# Altium PCB ETZZ.PcbDoc (part 1 of 2)
Units mm, origin at the board's own origin, x right, y up, seen from the top; angles counter-clockwise.
Board outline 70.75 x 120.75 mm, 2 copper layers (Top Layer, Bottom Layer), stack 1.536 mm thick; 55 components, 63 nets, 297 pads, 51 vias.
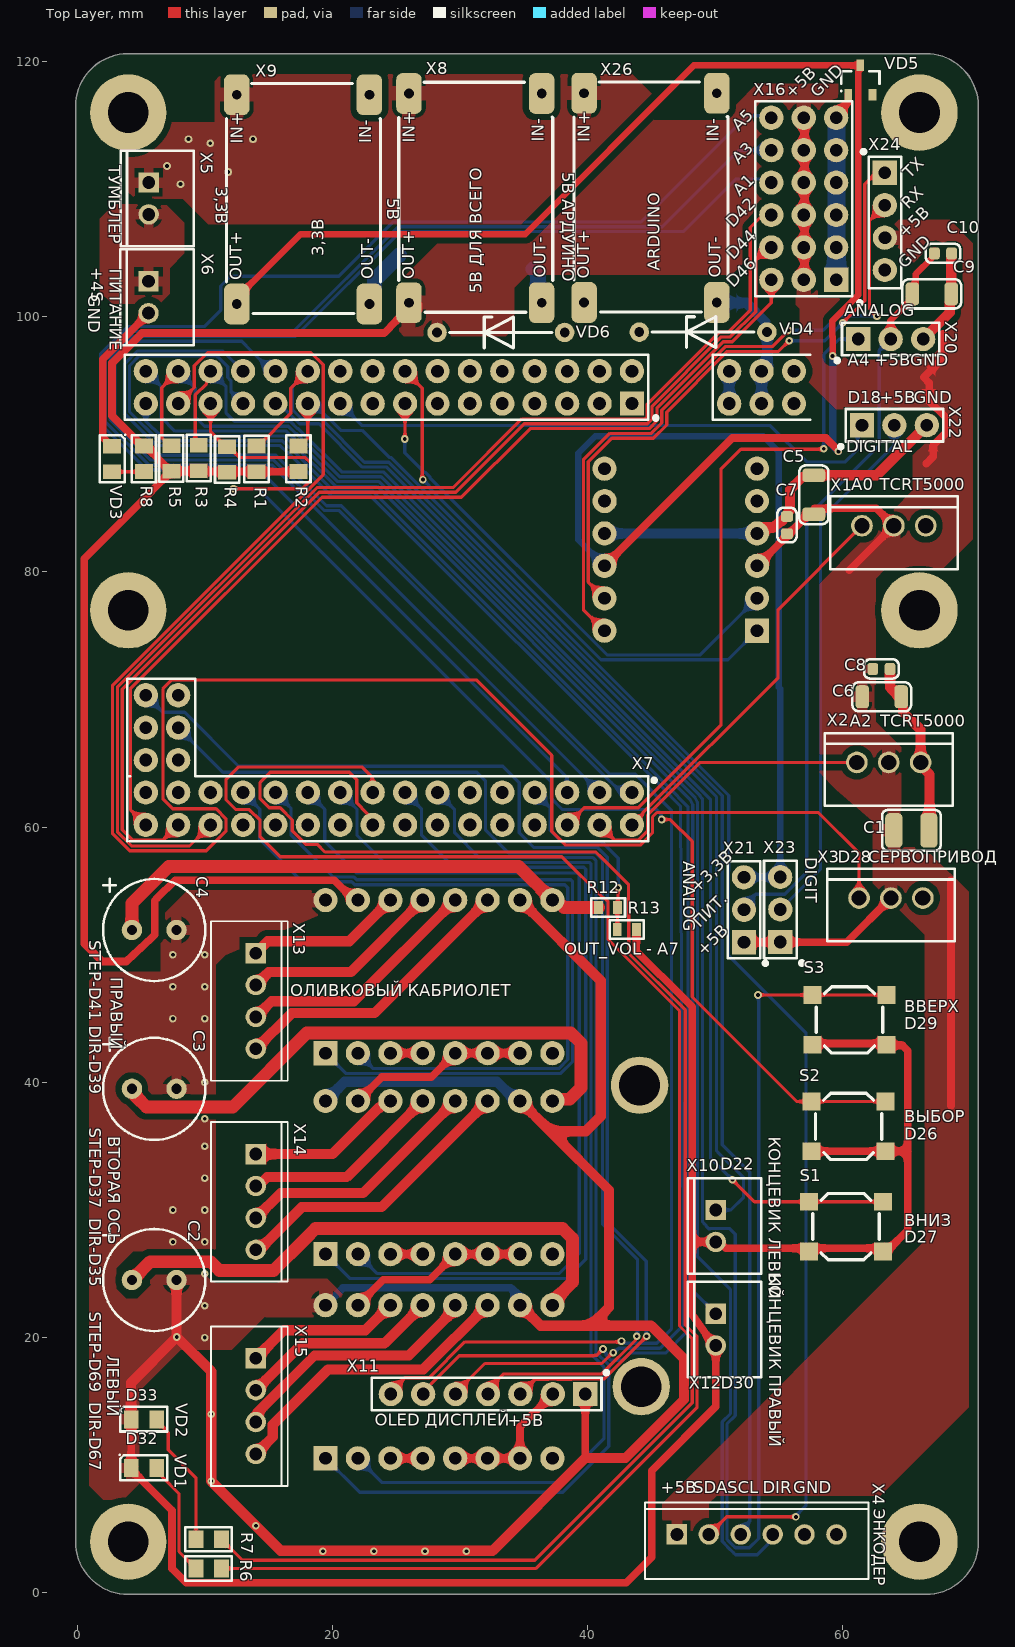
[diagram p0: Top Layer view]
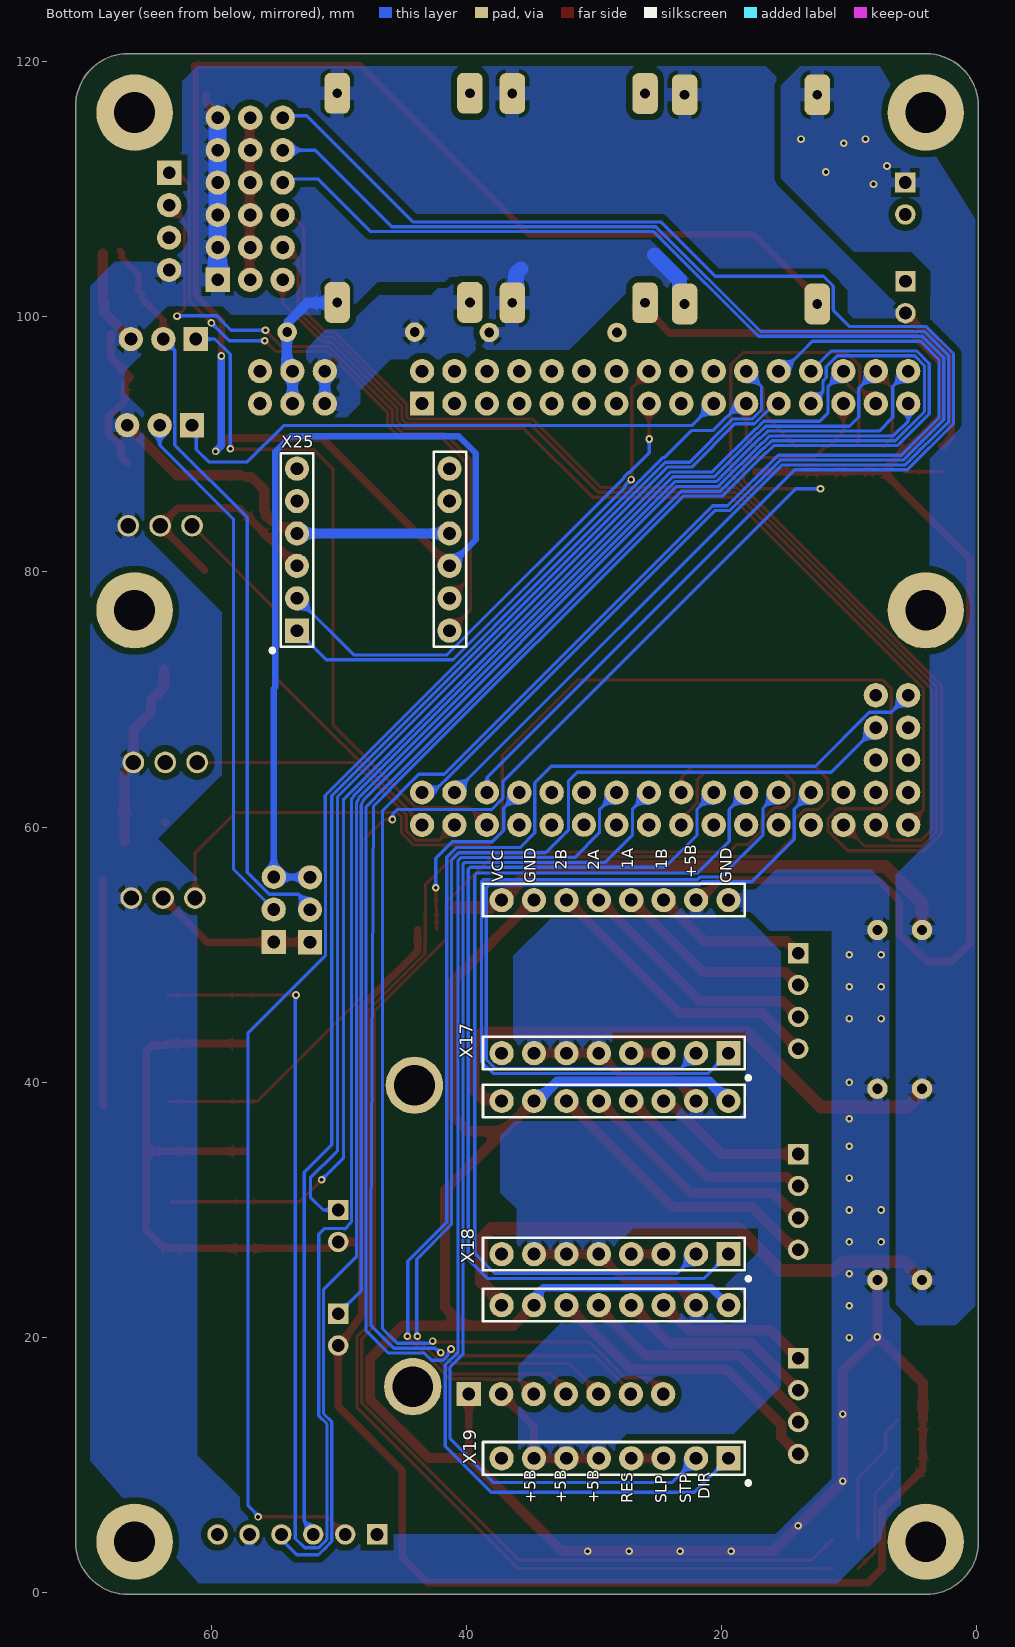
[diagram p1: Bottom Layer view, seen from below]

## Layer stack, top to bottom
Top Solder: solder mask 0.0254, SM-001, Dk 4
Top Layer: signal copper 0.018
Core: core 1.5, FR4 Tg135, Dk 4.5
Bottom Layer: signal copper 0.018
Board Layer Stack Bottom Solder: solder mask 0.0254, SM-001, Dk 4

## Board outline
-0.127,4 -0.127,116.5 cw(c4,116.5) 3.97,120.627 3.975,120.627 66.5,120.627 cw(c66.5,116.5) 70.627,116.53 70.627,116.525 70.627,4 cw(c66.5,4) 66.5,-0.127 4,-0.127 cw(c4,4)

## Design rules (kind name [scope] priority, off if disabled: settings)
AcuteAngle min_acute_angle [OnCopper] p1: minimum=3.50000000000000E+0001 checktracksonly=FALSE // Ìèíèìàëüíûé óãîë ìåæäó ïðèìèòèâàìè òîïîëîãèè
BoardOutlineClearance board_outline_clearance_std [NOT (OnLayer('Bottom Overlay') OR OnLayer('Top Overlay'))] p1: gap=0.25 ignorepadtopadclearanceinfootprint=FALSE except(0: Arc-SplitContinuation Track-SplitContinuation SMDPad-SplitContinuation THPad-SplitContinuation Via-SplitContinuation Fill-SplitContinuation Poly-SplitContinuation Region-SplitContinuation Text-SplitContinuation) // Îòñòóï ýëåìåíòîâ òîïîëîãèè îò êðàÿ ôðåçåðóåìîé ïå÷àòíîé ïëàòû
Clearance Clearance_5V [InPolygonClass('+5В')] p1: gap=0.5 ignorepadtopadclearanceinfootprint=FALSE
Clearance Clearance_vcc [InPolygonClass('VCC')] p2: gap=0.5 ignorepadtopadclearanceinfootprint=FALSE
Clearance Clearance_gnd [InPolygonClass('GND')] p3: gap=0.5 ignorepadtopadclearanceinfootprint=FALSE
Clearance clearance_outer_18um_std [OnTopLayer OR OnBottomLayer] p4: gap=0.125 ignorepadtopadclearanceinfootprint=TRUE except(0.2: Arc-Fill Arc-Poly Track-Fill Track-Poly SMDPad-SMDPad SMDPad-Fill SMDPad-Poly THPad-Fill THPad-Poly Via-Fill Via-Poly Fill-Fill Fill-Poly Poly-Poly Poly-Region Poly-Text; 0.25: Arc-Hole Track-Hole SMDPad-Hole THPad-Hole Via-Hole Fill-Hole Poly-Hole Region-Hole Text-Hole) // Çàçîðû íà âíåøíèõ ñëîÿõ
Clearance clearance_inner_18um_std [NOT (OnTopLayer Or OnBottomLayer)] p5: gap=0.125 ignorepadtopadclearanceinfootprint=FALSE except(0.2: Arc-Fill Arc-Poly Track-Fill Track-Poly SMDPad-SMDPad SMDPad-Fill SMDPad-Poly THPad-Fill THPad-Poly Via-Fill Via-Poly Fill-Fill Fill-Poly Poly-Poly Poly-Region Poly-Text; 0.25: Arc-Hole Track-Hole SMDPad-Hole THPad-Hole Via-Hole Fill-Hole Poly-Hole Region-Hole Text-Hole) // Çàçîðû íà âíóòðåííèõ ñëîÿõ
ComponentClearance [All] p1: gap=0 collisioncheckmode=3 verticalgap=0 showdistances=FALSE
DiffPairsRouting diff_pairs_routing [All] p1: maxlimit=0.127 minlimit=0.127 mostfreqgap=0.127 toplayer_minwidth=0.143 toplayer_maxwidth=0.143 toplayer_prefwidth=0.143 bottomlayer_minwidth=0.143 bottomlayer_maxwidth=0.143 bottomlayer_prefwidth=0.143 impedanceprofiledriven=TRUE maxuncoupledlength=12.7 // Ïðàâèëà òðàññèðîâêè äèôôåðåíöèàëüíûõ ïàð
HoleSize min_hole_size_std [IsPad] p1: absolutevalues=TRUE maxlimit=5.9 minlimit=0.6 maxpercent=80.000 minpercent=20.000 // Äèàìåòð ìåæñëîéíîãî ïåðåõîäíîãî îòâåðñòèÿ
HoleSize min_hole_size_via_std [IsVia] p2: absolutevalues=TRUE maxlimit=5.9 minlimit=0.3 maxpercent=80.000 minpercent=20.000 // Ìèíèìàëüíûé äèàìåòð ìîíòàæíîãî îòâåðñòèÿ
HoleToHoleClearance hole_to_hole_clearance_std [All] p1: gap=0.2 allowstackedmicrovias=FALSE // Ìèíèìàëüíîå ðàññòîÿíèå ìåæäó êðàÿìè äâóõ îòâåðñòèé
MinimumAnnularRing min_via_ar_std [All] p1: minimumring=0.15 // Ïîÿñîê ïëîùàäêè ïåðåõîäíîãî îòâåðñòèÿ (Annular ring VIA)
MinimumAnnularRing min_pad_ar_std [All] p2: minimumring=0.2 // Ïîÿñîê ìîíòàæíîé êîíòàêòíîé ïëîùàäêè (Annular ring PAD)
MinimumSolderMaskSliver min_solder_mask_bridge_std [All] p1: minsoldermaskwidth=0.15 // Ìíèìàëüíàÿ øèðèíà ìàñî÷íîãî ìîñòèêà
PlaneClearance plane_clearance_18um_std [All] p1: clearance=0.2 // Îòñòóï ïîëèãîíà (äëÿ ñëîÿ plane) îò ýëåìåíòîâ òîïîëîãèè
PlaneConnect [All] p1: planeconnectstyle=Relief reliefexpansion=0.5 reliefentries=4 reliefconductorwidth=0.2 reliefairgap=0.2
PolygonConnect poly_connect_to_pad<=0.3 [(AsMM(PadXSize_AllLayers)<=0.301) or (AsMM(PadYSize_AllLayers)<=0.301)] p1: thpad.connectstyle=Relief thpad.reliefconductorwidth=0.2 thpad.reliefentries=4 thpad.polygonreliefangle="90 Angle" thpad.airgapwidth=0.2 smdpad.connectstyle=Relief smdpad.reliefconductorwidth=0.2 smdpad.reliefentries=4 smdpad.polygonreliefangle="90 Angle" smdpad.airgapwidth=0.2 via.connectstyle=Direct via.reliefconductorwidth=0.254 via.reliefentries=4 via.polygonreliefangle="90 Angle" via.airgapwidth=0.254 // Ïðàâèëà ïîäêëþ÷åíèÿ ïîëèãîíîâ äëÿ ïàäîâ îò 0,3ìì è ìåíüøå
PolygonConnect poly_connect_to_pad<=0.4 [(AsMM(PadXSize_AllLayers)<=0.401) or (AsMM(PadYSize_AllLayers)<=0.401)] p2: thpad.connectstyle=Relief thpad.reliefconductorwidth=0.26 thpad.reliefentries=4 thpad.polygonreliefangle="90 Angle" thpad.airgapwidth=0.2 smdpad.connectstyle=Relief smdpad.reliefconductorwidth=0.26 smdpad.reliefentries=4 smdpad.polygonreliefangle="90 Angle" smdpad.airgapwidth=0.2 via.connectstyle=Direct via.reliefconductorwidth=0.254 via.reliefentries=4 via.polygonreliefangle="90 Angle" via.airgapwidth=0.254 // Ïðàâèëà ïîäêëþ÷åíèÿ ïîëèãîíîâ äëÿ ïàäîâ îò 0,4 è ìåíüøå
PolygonConnect poly_connect_to_pad<=0.6 [(AsMM(PadXSize_AllLayers)<=0.601) or (AsMM(PadYSize_AllLayers)<=0.601)] p3: thpad.connectstyle=Relief thpad.reliefconductorwidth=0.33 thpad.reliefentries=4 thpad.polygonreliefangle="90 Angle" thpad.airgapwidth=0.2 smdpad.connectstyle=Relief smdpad.reliefconductorwidth=0.33 smdpad.reliefentries=4 smdpad.polygonreliefangle="90 Angle" smdpad.airgapwidth=0.2 via.connectstyle=Direct via.reliefconductorwidth=0.254 via.reliefentries=4 via.polygonreliefangle="90 Angle" via.airgapwidth=0.254 // Ïðàâèëà ïîäêëþ÷åíèÿ ïîëèãîíîâ äëÿ ïàäîâ îò 0,6ìì è ìåíüøå
PolygonConnect poly_connect_to_pad<=0.7 [(AsMM(PadXSize_AllLayers)<=0.701) or (AsMM(PadYSize_AllLayers)<=0.701)] p4: thpad.connectstyle=Relief thpad.reliefconductorwidth=0.46 thpad.reliefentries=4 thpad.polygonreliefangle="90 Angle" thpad.airgapwidth=0.2 smdpad.connectstyle=Relief smdpad.reliefconductorwidth=0.46 smdpad.reliefentries=4 smdpad.polygonreliefangle="90 Angle" smdpad.airgapwidth=0.2 via.connectstyle=Direct via.reliefconductorwidth=0.254 via.reliefentries=4 via.polygonreliefangle="90 Angle" via.airgapwidth=0.254 // Ïðàâèëà ïîäêëþ÷åíèÿ ïîëèãîíîâ äëÿ ïàäîâ îò 0,7ìì è ìåíüøå
PolygonConnect poly_connect_to_pad<=0.8 [(AsMM(PadXSize_AllLayers)<=0.8)or(AsMM(PadYSize_AllLayers)<=0.8)] p5: thpad.connectstyle=Relief thpad.reliefconductorwidth=0.53 thpad.reliefentries=4 thpad.polygonreliefangle="90 Angle" thpad.airgapwidth=0.3 smdpad.connectstyle=Relief smdpad.reliefconductorwidth=0.53 smdpad.reliefentries=4 smdpad.polygonreliefangle="90 Angle" smdpad.airgapwidth=0.2 via.connectstyle=Direct via.reliefconductorwidth=0.254 via.reliefentries=4 via.polygonreliefangle="90 Angle" via.airgapwidth=0.254 // Ïðàâèëà ïîäêëþ÷åíèÿ ïîëèãîíîâ äëÿ ïàäîâ îò 0,8ìì è ìåíüøå
PolygonConnect poly_connect_to_pad<=1 [(AsMM(PadXSize_AllLayers)<=1.01)or(AsMM(PadYSize_AllLayers)<=1.01)] p6: thpad.connectstyle=Relief thpad.reliefconductorwidth=0.6 thpad.reliefentries=4 thpad.polygonreliefangle="90 Angle" thpad.airgapwidth=0.3 smdpad.connectstyle=Relief smdpad.reliefconductorwidth=0.6 smdpad.reliefentries=4 smdpad.polygonreliefangle="90 Angle" smdpad.airgapwidth=0.2 via.connectstyle=Direct via.reliefconductorwidth=0.254 via.reliefentries=4 via.polygonreliefangle="90 Angle" via.airgapwidth=0.254 // Ïðàâèëà ïîäêëþ÷åíèÿ ïîëèãîíîâ äëÿ ïàäîâ îò 1ìì è ìåíüøå
PolygonConnect poly_connect_to_pad<=1.3 [(AsMM(PadXSize_AllLayers)<=1.31)or(AsMM(PadYSize_AllLayers)<=1.31)] p7: thpad.connectstyle=Relief thpad.reliefconductorwidth=0.66 thpad.reliefentries=4 thpad.polygonreliefangle="90 Angle" thpad.airgapwidth=0.3 smdpad.connectstyle=Relief smdpad.reliefconductorwidth=0.86 smdpad.reliefentries=4 smdpad.polygonreliefangle="90 Angle" smdpad.airgapwidth=0.2 via.connectstyle=Direct via.reliefconductorwidth=0.254 via.reliefentries=4 via.polygonreliefangle="90 Angle" via.airgapwidth=0.254 // Ïðàâèëà ïîäêëþ÷åíèÿ ïîëèãîíîâ äëÿ ïàäîâ îò 1,3ìì è ìåíüøå
PolygonConnect poly_connect_to_pad<=1.6 [(AsMM(PadXSize_AllLayers)<=1.61)or(AsMM(PadYSize_AllLayers)<=1.61)] p8: thpad.connectstyle=Relief thpad.reliefconductorwidth=0.8 thpad.reliefentries=4 thpad.polygonreliefangle="90 Angle" thpad.airgapwidth=0.3 smdpad.connectstyle=Relief smdpad.reliefconductorwidth=1 smdpad.reliefentries=4 smdpad.polygonreliefangle="90 Angle" smdpad.airgapwidth=0.2 via.connectstyle=Direct via.reliefconductorwidth=0.254 via.reliefentries=4 via.polygonreliefangle="90 Angle" via.airgapwidth=0.254 // Ïðàâèëà ïîäêëþ÷åíèÿ ïîëèãîíîâ äëÿ ïàäîâ îò 1,6ìì è ìåíüøå
PolygonConnect poly_connect_to_pad<=1.8 [(AsMM(PadXSize_AllLayers)<=1.8)or(AsMM(PadYSize_AllLayers)<=1.8)] p9: thpad.connectstyle=Relief thpad.reliefconductorwidth=1 thpad.reliefentries=4 thpad.polygonreliefangle="90 Angle" thpad.airgapwidth=0.3 smdpad.connectstyle=Relief smdpad.reliefconductorwidth=1.2 smdpad.reliefentries=4 smdpad.polygonreliefangle="90 Angle" smdpad.airgapwidth=0.2 via.connectstyle=Direct via.reliefconductorwidth=0.254 via.reliefentries=4 via.polygonreliefangle="90 Angle" via.airgapwidth=0.254 // Ïðàâèëà ïîäêëþ÷åíèÿ ïîëèãîíîâ äëÿ ïàäîâ îò 1,8ìì è ìåíüøå
PolygonConnect poly_connect_to_pad<=2 [(AsMM(PadXSize_AllLayers)<=2.01)or(AsMM(PadYSize_AllLayers)<=2.01)] p10: thpad.connectstyle=Relief thpad.reliefconductorwidth=1.1 thpad.reliefentries=4 thpad.polygonreliefangle="90 Angle" thpad.airgapwidth=0.3 smdpad.connectstyle=Relief smdpad.reliefconductorwidth=1.4 smdpad.reliefentries=4 smdpad.polygonreliefangle="90 Angle" smdpad.airgapwidth=0.2 via.connectstyle=Direct via.reliefconductorwidth=0.254 via.reliefentries=4 via.polygonreliefangle="90 Angle" via.airgapwidth=0.254 // Ïðàâèëà ïîäêëþ÷åíèÿ ïîëèãîíîâ äëÿ ïàäîâ îò 2ìì è ìåíüøå
PolygonConnect poly_connect_to_pad<=2.3 [(AsMM(PadXSize_AllLayers)<=2.31)or(AsMM(PadYSize_AllLayers)<=2.31)] p11: thpad.connectstyle=Relief thpad.reliefconductorwidth=1.2 thpad.reliefentries=4 thpad.polygonreliefangle="90 Angle" thpad.airgapwidth=0.3 smdpad.connectstyle=Relief smdpad.reliefconductorwidth=1.4 smdpad.reliefentries=4 smdpad.polygonreliefangle="90 Angle" smdpad.airgapwidth=0.2 via.connectstyle=Direct via.reliefconductorwidth=0.254 via.reliefentries=4 via.polygonreliefangle="90 Angle" via.airgapwidth=0.254 // Ïðàâèëà ïîäêëþ÷åíèÿ ïîëèãîíîâ äëÿ ïàäîâ îò 2,3ìì è ìåíüøå
PolygonConnect poly_connect_to_pad<=2.5 [(AsMM(PadXSize_AllLayers)<=2.51)or(AsMM(PadYSize_AllLayers)<=2.51)] p12: thpad.connectstyle=Relief thpad.reliefconductorwidth=1.2 thpad.reliefentries=4 thpad.polygonreliefangle="90 Angle" thpad.airgapwidth=0.3 smdpad.connectstyle=Relief smdpad.reliefconductorwidth=1.4 smdpad.reliefentries=4 smdpad.polygonreliefangle="90 Angle" smdpad.airgapwidth=0.2 via.connectstyle=Direct via.reliefconductorwidth=0.254 via.reliefentries=4 via.polygonreliefangle="90 Angle" via.airgapwidth=0.254 // Ïðàâèëà ïîäêëþ÷åíèÿ ïîëèãîíîâ äëÿ ïàäîâ îò 2,5ìì è ìåíüøå
PolygonConnect poly_connect_to_pad<=2.7 [(AsMM(PadXSize_AllLayers)<=2.71)or(AsMM(PadYSize_AllLayers)<=2.71)] p13: thpad.connectstyle=Relief thpad.reliefconductorwidth=1.4 thpad.reliefentries=4 thpad.polygonreliefangle="90 Angle" thpad.airgapwidth=0.3 smdpad.connectstyle=Relief smdpad.reliefconductorwidth=1.6 smdpad.reliefentries=4 smdpad.polygonreliefangle="90 Angle" smdpad.airgapwidth=0.2 via.connectstyle=Direct via.reliefconductorwidth=0.254 via.reliefentries=4 via.polygonreliefangle="90 Angle" via.airgapwidth=0.254 // Ïðàâèëà ïîäêëþ÷åíèÿ ïîëèãîíîâ äëÿ ïàäîâ îò 2,7ìì è ìåíüøå
PolygonConnect poly_connect_to_pad<=3 [(AsMM(PadXSize_AllLayers)<=3.01)or(AsMM(PadYSize_AllLayers)<=3.01)] p14: thpad.connectstyle=Relief thpad.reliefconductorwidth=1.6 thpad.reliefentries=4 thpad.polygonreliefangle="90 Angle" thpad.airgapwidth=0.3 smdpad.connectstyle=Relief smdpad.reliefconductorwidth=1.8 smdpad.reliefentries=4 smdpad.polygonreliefangle="90 Angle" smdpad.airgapwidth=0.2 via.connectstyle=Direct via.reliefconductorwidth=0.254 via.reliefentries=4 via.polygonreliefangle="90 Angle" via.airgapwidth=0.254 // Ïðàâèëà ïîäêëþ÷åíèÿ ïîëèãîíîâ äëÿ ïàäîâ îò 3ìì è ìåíüøå
PolygonConnect poly_connect_to_pad<=7 [(AsMM(PadXSize_AllLayers)<7.01)or(AsMM(PadYSize_AllLayers)<=7.01)] p15: thpad.connectstyle=Relief thpad.reliefconductorwidth=2 thpad.reliefentries=4 thpad.polygonreliefangle="90 Angle" thpad.airgapwidth=0.4 smdpad.connectstyle=Relief smdpad.reliefconductorwidth=2 smdpad.reliefentries=4 smdpad.polygonreliefangle="90 Angle" smdpad.airgapwidth=0.3 via.connectstyle=Direct via.reliefconductorwidth=0.254 via.reliefentries=4 via.polygonreliefangle="90 Angle" via.airgapwidth=0.254 // Ïðàâèëà ïîäêëþ÷åíèÿ ïîëèãîíîâ äëÿ ïàäîâ îò 7ìì è ìåíüøå
PolygonConnect poly_connect_to_pad [All] p16: thpad.connectstyle=Relief thpad.reliefconductorwidth=0.25 thpad.reliefentries=4 thpad.polygonreliefangle="90 Angle" thpad.airgapwidth=0.2 smdpad.connectstyle=Relief smdpad.reliefconductorwidth=0.25 smdpad.reliefentries=4 smdpad.polygonreliefangle="90 Angle" smdpad.airgapwidth=0.2 via.connectstyle=Direct via.reliefconductorwidth=0.25 via.reliefentries=4 via.polygonreliefangle="90 Angle" via.airgapwidth=0.2 // Ïðàâèëà ïîäêëþ÷åíèÿ ïîëèãîíîâ îáùèå
RoutingCorners [All] p1 off: cornerstyle=45-Degree minsetback=2.5 maxsetback=2.5
RoutingVias [All] p1: holewidth=0.3 width=0.6 viastyle="Through Hole" minholewidth=0.3 minwidth=0.6 maxholewidth=5.9 maxwidth=6.4
SilkToSilkClearance silk_to_silk_clearance_std [All] p1 off: silktosilkclearance=0.15 // Îòñòóï òåêñòà øåëêîãðàôèè îò äðóãèõ ïðèìèòèâîâ øåëêîãðàôèè
SilkToSolderMaskClearance silk_to_solder_mask_clearance_std [IsPad] p1 off: minsilkscreentomaskgap=0.15 clearancetoexposedcopper=FALSE // Ìèíèìàëüíîå ðàññòîÿíèå ìåæäó ýëåìåíòàìè øåëêîãðàôèè è âñêðûòîé ìåäüþ
SolderMaskExpansion solder_mask_expansion_std [All] p1: expansion=0.05 istentingtop=FALSE // Ïðèïóñê ïàÿëüíîé ìàññêè
UnRoutedNet [All] p1: checkbadconnections=TRUE
Width width_18um_std [All] p1: maxlimit=10 minlimit=0.125 preferedwidth=0.15 checkconnectedcopper=TRUE // Øèðèíà ïðîâîäíèêîâ (îáùàÿ)
19 further rules are at their usual default settings.

## Classes and differential pairs
polygon class +5В: 5V_MOTOR 5V_top +5В_ARDUINO
polygon class VCC: +4s_vcc btm_vcc VCC_top
polygon class GND: BOT_GND brm_gnd GND_CAP
component class Э3: C1 C5 C6 C7 C8 R1 R2 R3 R4 R5 R6 R7 R8 R12 R13 S1 S2 S3 VD1 VD2 VD3 VD5 X1 X2 X3 X4 X5 X6 X7 X8 X9 X10 X11 X12 X26
component class Э3_2: C2 C3 C4 C9 C10 Q X13 X14 X15 X16 X17 X18 X19 X20 X21 X22 X23 X24 X25

## Components (designator, comment, footprint, x,y, rotation, side; value= is the part's Value field where it differs from the comment)
C1 "100мк" C1210 65.375,59.75 r180 top
C2 "конденсатор" SK050M0100B3F-0811-up 6.036,24.511 r0 top
C3 "конденсатор" SK050M0100B3F-0811-up 6.036,39.497 r0 top
C4 "конденсатор" SK050M0100B3F-0811-up 6.036,51.943 r0 top
C5 "10мк" C1206 57.725,86.05 r270 top
C6 "10мк" C1206 63.05,70.225 r180 top
C7 "0,1мк" C0603 55.625,83.675 r270 top
C8 "0,1мк" C0603 63.025,72.4 r180 top
C9 "10мк" C1206 66.975,101.8 r180 top
C10 "0,1мк" C0603 67.85,104.975 r180 top
R1 "10к" Resistor0805 14.047,88.868 r90 top
R2 "10к" Resistor0805 17.333,88.875 r90 top
R3 "10к" Resistor0805 9.525,88.925 r270 top
R4 "10к" Resistor0805 11.75,88.825 r270 top
R5 "10к" Resistor0805 7.375,88.9 r270 top
R6 "1к" Resistor0805 10.303,1.905 r180 top
R7 "1к" Resistor0805 10.303,4.191 r180 top
R8 "1к" Resistor0805 5.225,88.875 r270 top
R12 "4,7к" R0603 41.6,53.7 r0 top
R13 "2к" R0603 43.075,51.975 r0 top
S1 "IT-1187" it-1187 60.25,28.7 r0 top
S2 "IT-1187" it-1187 60.45,36.55 r0 top
S3 "IT-1187" it-1187 60.525,44.9 r0 top
VD1 "LED0805" LED0805 5.223,9.779 r0 top
VD2 "LED0805" LED0805 5.223,13.589 r0 top
VD3 "LED0805" LED0805 2.725,88.85 r270 top
VD4 "1N4734A" DO-41 54.05,98.8 r90 top
VD5 "BZX84C3V3" SOT23-3 61.375,118.55 r90 top
VD6 "1N4734A" DO-41 38.2,98.775 r90 top
X1 "DS1069-3M (CWF-3)" CWF-3 64,83.075 r270 top
X2 "DS1069-3M (CWF-3)" CWF-3 63.6,64.525 r270 top
X3 "DS1069-3M (CWF-3)" CWF-3 63.775,53.9 r270 top
X4 "DS1069-6M (CWF-6)" CWF-6 47,4.575 r90 top
X5 "DS1069-2M (CWF-2)" CWF-2 6.275,109.275 r270 top
X6 "DS1069-2M (CWF-2)" CWF-2 6.262,101.537 r270 top
X7 "Arduino Mega 2560 Pro" PBD38 40.935,61.45 r180 top locked
X8 "MINI360" mini360 26,101.1 r90 top
X9 "MINI360" mini360 12.5,101 r90 top
X10 "DS1069-2M (CWF-2)" CWF-2 50.725,28.75 r270 top
X11 "PLS-2.54-6" PBD8 37.275,15.575 r180 top
X12 "DS1069-2M (CWF-2)" CWF-2 50.725,20.625 r270 top
X13 "DS1069-4M (CWF-4)" CWF-4 14,50.129 r0 top
X14 "DS1069-4M (CWF-4)" CWF-4 14,34.381 r0 top
X15 "DS1069-4M (CWF-4)" CWF-4 14,18.379 r0 top
X16 "PLS-2.54-3*6" PLS-2.54-3*6 54.4,102.9 r90 top
X17 "A4988" A4988 22,42.291 r0 bottom locked
X18 "A4988" A4988 22,26.543 r0 bottom
X19 "A4988" A4988 22,10.541 r0 bottom locked
X20 "PLS-2,54-3" PLS-2.54-3 63.75,98.25 r0 top
X21 "PLS-2,54-3" PLS-2.54-3 52.255,53.53 r90 top
X22 "PLS-2,54-3" PLS-2.54-3 64.04,91.5 r0 top
X23 "PLS-2,54-3" PLS-2.54-3 55.1,53.55 r90 top
X24 "PLS-2,54-4" PLS-2.54-4 63.295,108.745 r270 top
X25 "LOGIC CONVENTTOR" "LOGIC CONVENTOR" 53.275,77.94 r90 bottom
X26 "MINI360" mini360 39.725,101.125 r90 top

## Footprints (in the part's own frame and the unit in brackets; to place one, negate y for a bottom-side part, rotate by r counter-clockwise, add the part's x,y. Pads: shape width x height; smd on the part's side, far side on the other; paste and mask are expansions set on the pad)
A4988 [mm]
  rect 1.9x1.9 hole 1: 1(-2.54,0)
  round 1.9 hole 1: 2(0,0) 3(2.545,0.005) 4(5.08,0) 5(7.62,0) 6(10.16,0) 7(12.7,0) 8(15.24,0) 9(-2.54,-12) 10(0,-12) 11(2.545,-11.995) 12(5.08,-12) 13(7.62,-12) 14(10.16,-12) 15(12.7,-12) 16(15.24,-12)
  silkscreen extent -4.1,-13.28 16.7,1.94, body extent -3.8,-13.55 16.67,1.45, height 15.6
C0603 [mm] "Chip Capacitor, 2-Leads, Body 1,60x0,80mm, IPC Medium Density"
  rrect50% 0.85x0.95 smd: 1(-0.675,0) 2(0.675,0)
  Top Layer pour cut-out: -0.254,0.5 -0.254,-0.5 0.254,-0.5 0.254,0.5
  silkscreen extent -1.35,-0.75 1.35,0.75, body extent -0.85,-0.45 0.85,0.45, height 0.9
C1206 [mm] "Chip Capacitor, 2-Leads, Body 3,20x1,60mm, IPC Medium Density"
  rrect50% 1.05x1.8 smd: 1(-1.525,0) 2(1.525,0)
  Top Layer pour cut-out: -0.6,0.95 -0.6,-0.95 0.6,-0.95 0.6,0.95
  silkscreen extent -2.3,-1.15 2.3,1.15, body extent -1.6,-0.8 1.6,0.8, height 1.25
C1210 [mm] "Chip Capacitor, 2-Leads, Body 3,20x2,50mm, IPC Medium Density"
  rrect50% 1.35x2.7 smd: 1(-1.375,0) 2(1.375,0)
  Top Layer pour cut-out: -0.6,1.325 -0.6,-1.05 0.6,-1.05 0.6,1.325
  silkscreen extent -2.3,-1.6 2.3,1.6, body extent -1.7,-1.35 1.7,1.35, height 2.7
CWF-2 [mm]
  rect 1.6x1.6 hole 1: 1(-1.25,-0.675)
  round 1.6 hole 1: 2(1.25,-0.675)
  silkscreen extent -3.75,-2.88 3.75,2.88, body extent -3.75,-2.87 3.75,2.88, height 7
CWF-3 [mm]
  round 1.7 hole 1.2: 1(-0.55,-2.5) 2(-0.55,0) 3(-0.55,2.5)
  silkscreen extent -2.85,-5 2.85,5, body extent -2.9,-5 2.8,5, height 7.7
CWF-4 [mm]
  rect 1.6x1.6 hole 1: 1(0,0)
  round 1.6 hole 1: 2(0,-2.5) 3(0,-5) 4(0,-7.5)
  silkscreen extent -3.5,-10 2.5,2.5, body extent -3.55,-9.95 2.2,2.45, height 7
CWF-6 [mm]
  rect 1.6x1.6 hole 1: 1(0,0)
  round 1.6 hole 1: 2(0,-2.5) 3(0,-5) 4(0,-7.5) 5(0,-10) 6(0,-12.5)
  silkscreen extent -3.5,-15 2.5,2.5, body extent -3.52,-15 2.22,2.5, height 7
DO-41 [mil] "zener diode"
  round 60 hole 30: 1(0,0) 2(0,393.7)
  silkscreen extent -47,39 47,354, body extent -54,-17 54,411, height 172
it-1187 [mm]
  rect 1.4x1.4 smd: 1(-2.9,1.95) 1(2.9,1.95) 2(-2.9,-1.95) 2(2.9,-1.95)
  silkscreen extent -2.6,-2.6 2.6,2.6, body extent -3.2,-2.63 3.2,2.57, height 1.5
LED0805 [mm]
  rect 1.15x1.4 smd: 1(-1,0) 2(1,0)
  silkscreen extent -1.9,-0.95 1.83,1.03, body extent -1.01,-0.65 1.01,0.6, height 1.1
"LOGIC CONVENTOR" [mm]
  rect 1.9x1.9 hole 1: 1(-2.54,0)
  round 1.9 hole 1: 2(0,0) 3(2.545,0.005) 4(5.08,0) 5(7.62,0) 6(10.16,0) 7(-2.54,-11.95) 8(0,-11.95) 9(2.545,-11.95) 10(5.08,-11.95) 11(7.62,-11.945) 12(10.16,-11.95)
  silkscreen extent -4.1,-13.28 11.48,1.94, body extent -3.75,-13.25 11.49,1.27, height 8.5
mini360 [mm]
  rrect50% 3.2x2 hole 0.762: 1(0,0) 2(0,-10.4) 3(16.4,0) 4(16.4,-10.4)
  silkscreen extent -0.75,-11.27 17.27,0.8, body extent -0.73,-11.23 17.27,0.77, height 3.75
PBD8 [mm]
  rect 1.9x1.9 hole 1: 1(-2.54,0)
  round 1.9 hole 1: 2(0,0) 3(2.545,0.005) 4(5.08,0) 5(7.62,0) 6(10.16,0) 7(12.7,0)
  silkscreen extent -4.2,-1.68 14.2,1.28, body extent -8.8,-26.2 18.7,1.55, height 13.95
PBD38 [mm]
  rect 1.9x1.9 hole 1: 1(-2.54,-31.75)
  round 1.9 hole 1: 2(-2.54,-34.29) 3(0,-31.75) 7(5.08,-31.75) 8(5.08,-34.29) 13(12.7,-31.75) 14(12.7,-34.29) 19(20.32,-31.75) 20(20.32,-34.29) 25(27.94,-31.75) 26(27.94,-34.29) 31(35.56,-31.75) 32(35.56,-34.29) 33(17.78,1.27) 34(17.78,-1.27) 35(20.32,1.27) 39(25.4,1.27) 40(25.4,-1.27) 45(33.02,1.27) 46(33.02,-1.27) 51(35.56,-6.35) 52(33.02,-6.35) 57(0,1.27) 58(0,-1.27) 63(7.62,1.27) 64(7.62,-1.27) 69(15.24,1.27) 70(15.24,-1.27) 71(-15.24,-34.285) 72(-15.24,-31.745) 73(-12.7,-34.285)
  round 1.9 hole 1 mask+0.102: 4(0,-34.29) 5(2.54,-31.75) 6(2.54,-34.29) 9(7.62,-31.75) 10(7.62,-34.29) 11(10.16,-31.75) 12(10.16,-34.29) 15(15.24,-31.75) 16(15.24,-34.29) 17(17.78,-31.75) 18(17.78,-34.29) 21(22.86,-31.75) 22(22.86,-34.29) 23(25.4,-31.75) 24(25.4,-34.29) 27(30.48,-31.75) 28(30.48,-34.29) 29(33.02,-31.75) 30(33.02,-34.29) 36(20.32,-1.27) 37(22.86,1.27) 38(22.86,-1.27) 41(27.94,1.27) 42(27.94,-1.27) 43(30.48,1.27) 44(30.48,-1.27) 47(35.56,1.27) 48(35.56,-1.27) 49(35.56,-3.81) 50(33.02,-3.81) 53(35.56,-8.89) 54(33.02,-8.89) 55(-2.54,1.27) 56(-2.54,-1.27) 59(2.54,1.27) 60(2.54,-1.27) 61(5.08,1.27) 62(5.08,-1.27) 65(10.146,1.257) 66(10.16,-1.27) 67(12.7,1.27) 68(12.7,-1.27) 74(-12.7,-31.745) 75(-10.16,-34.285) 76(-10.16,-31.745)
  silkscreen extent -16.52,-35.57 37.2,2.54, body extent -17.18,-35.6 36.94,2.5, height 13.94
PLS-2.54-3 [mm]
  rect 1.9x1.9 hole 1: 1(-2.54,0)
  round 1.9 hole 1: 2(0,0) 3(2.545,0.005)
  silkscreen extent -4.2,-1.68 3.82,1.28, body extent -3.81,-1.27 3.81,1.27, height 8.59
PLS-2.54-3*6 [mm]
  rect 1.9x1.9 hole 1: 1(0,-5.08)
  round 1.9 hole 1: 2(2.54,-5.08) 3(5.08,-5.08) 4(7.62,-5.08) 5(10.16,-5.08) 6(12.7,-5.08) 7(0,-2.54) 8(2.54,-2.54) 9(5.08,-2.54) 10(7.62,-2.54) 11(10.16,-2.54) 12(12.7,-2.54) 13(0,0) 14(2.54,0) 15(5.08,0) 16(10.16,0) 17(7.62,0) 18(12.7,0)
  silkscreen extent -1.81,-6.93 13.98,1.28, body extent -1.26,-6.35 13.98,1.27, height 8.54
PLS-2.54-4 [mm]
  rect 1.9x1.9 hole 1: 1(-2.54,0)
  round 1.9 hole 1: 2(0,0) 3(2.545,0.005) 4(5.08,0)
  silkscreen extent -4.2,-1.68 6.5,1.28, body extent -3.79,-1.37 6.37,1.17, height 8.6
R0603 [mm]
  rect 0.7x1 smd: 1(-0.75,0) 2(0.75,0)
  silkscreen extent -1.33,-0.73 1.33,0.73, body extent -0.8,-0.43 0.8,0.43, height 0.45
Resistor0805 [mm]
  rect 1.15x1.4 smd: 1(-1,0) 2(1,0)
  silkscreen extent -1.83,-0.95 1.83,0.95, body extent -1.1,-0.7 1.1,0.7, height 0.45
SK050M0100B3F-0811-up [mm]
  round 1.6 hole 0.8: 1(-1.75,0) 2(1.75,0)
  silkscreen extent -4,-4 4,4, body extent -4,-3.99 4,3.99, height 11.5
SOT23-3 [mm] "SOT23, 3-Leads, Body 2,90x2,30mm, Pitch 0,95mm, IPC Medium Density"
  rect 0.9x0.6 smd: 1(-1.15,0.95) 2(-1.15,-0.95) 3(1.15,0)
  silkscreen extent -0.9,-1.5 0.7,1.55, body extent -1.35,-1.5 1.15,1.5, height 1.05

## Part data
C1: library part CC0603JRNPO9BN220, "Конденсатор кер. 100мк 50В", Manufacturer=Yageo, Voltage=50В, Name=CC0603JRNPO9BN220, TKE=NP0
C2 C3 C4: library part SK050M0100B3F-0811, Voltage=50В, nam=конденсатор, nominal=100мк
C5 C6 C9: library part CC1206KKX7R8BB106, "Конденсатор кер. 10мкФ 25В", Manufacturer=Yageo, Voltage=25В, Name=CC1206KKX7R8BB106, TKE=X7R
C7 C8 C10: library part GRM188R71H104KA93D, "Конденсатор кер. 0,1мкФ 50В X7R", Manufacturer=Murata, Voltage=50В, Name=GRM188R71H104KA93D, TKE=X7R
R1 R2 R3 R4 R5 R6 R7 R8: library part RESISTOR
  R1 R2 R3 R4 R5: nam=10к
  R6 R7 R8: nam=резистор
R12: library part RC0603FR-074K7L, "Резистор 4,7кОм 0,063Вт 1%", Manufacturer=YAGEO, Tolerance=1%, Name=RC0603FR-074K7L
R13: library part RC0603FR-072KL, "Резистор 2кОм 0,063Вт 1%", Manufacturer=YAGEO, Tolerance=1%, Name=RC0603FR-072KL
S1 S2 S3: "тактовая кнопка SMD", Name=IT-1187
VD4 VD6: "Стабилитрон 5.6В, 5%, 1Вт, 1N4734A", Voltage MAX=5.88, Voltage MIN=5.32, ComponentLink1Description=HelpURL, ComponentLink1URL=https://www.promelec.ru/fs/sources/54/98/aa/7a/f161d9308e45db5c55639eb6.pdf, Name=1N4734A
VD5: "Стабилитрон 3,3В", Name=BZX84C3V3
X1 X2 X3: library part CWF-3, "Разъем - 3 конт. прямая вилка на плату", Contact_1=S, Contact_2=VCC, Contact_3=GND, Name="DS1069-3M (CWF-3)"
X4: library part CWF-6, "Разъем - 6 конт. прямая вилка на плату", Contact_1=VCC, Contact_2=SDA, Contact_3=SCL, Contact_4=DIR, Contact_5=GND, Name="DS1069-6M (CWF-6)"
X5 X6 X10 X12: library part CWF-2, "Разъем - 2 конт. прямая вилка на плату", Name="DS1069-2M (CWF-2)"
  X5: Contact_1=VIN, Contact_2=VIN2
  X6: Contact_1=VIN, Contact_2=GND
  X10 X12: Contact_1=S, Contact_2=GND
X8 X9 X26: library part mini360, "стаб 18 на 12 мм"
X11: library part PBD8, Contact_1=GND, Contact_2=VDD, Contact_3=SCL, Contact_4=SDA, Contact_5=RES, Contact_6=DS, Contact_7=CS, Contact_8=DS, nam=PLS-2.54-6
X13 X14 X15: library part CWF-4, "Разъем - 4 конт. прямая вилка на плату", Contact_1=1B, Contact_2=1A, Contact_3=2A, Contact_4=2B, Name="DS1069-4M (CWF-4)"
X20 X21 X22 X23: library part "PLS-2.54-3 1>2", Contact_1=S, Contact_2=VCC, Contact_3=GND, nam=PLS-2,54-3
X24: library part PLS-2.54-4, Contact_1=TX, Contact_2=RX, Contact_3=VCC, Contact_4=GND, nam=PLS-2,54-4
X7: nam="Arduino Mega 2560 Pro"
X16: Contact_1=GND, Contact_2=GND, Contact_3=GND, Contact_4=GND, Contact_5=GND, Contact_6=GND, Contact_7=VCC, Contact_8=VCC, Contact_9=VCC, Contact_10=VCC, Contact_11=VCC, Contact_12=VCC

## Free pads (board coordinates)
  round 6 hole 3.2: 3(4,4) 3(4,77) 3(4,116) 3(66,4) 3(66,77) 3(66,116)
  round 4.5 hole 3.2: 4(44.075,39.775) 4(44.202,16.152)

## Via types
v1: diameter 0.6, hole 0.3, Top Layer to Bottom Layer, tented both sides, 49 vias
v2: diameter 0.6, hole 0.3, Top Layer to Bottom Layer, 2 vias

## Nets (pads, with @x,y where several pads share a name; then routed paths per layer and width w, separated by ;. In a path a pad name is that pad's centre, name@x,y a point inside that pad or via, vN(x,y) a via of type N, cw(c..) or ccw(c..) an arc to the next point about the centre after c; other vN are vias at no path point)
+3,3В: VD5.3 X9.1 X21.3 X23.3 X25.9 | length 173.9
  Top Layer w0.5: X9.1@12.5,101 12.5,101.475 17.5,106.475 35.1,106.475 48.325,119.7 VD5.3@61.375,119.7 61.325,119.65 61.325,119.32 61.212,119.207 61.212,101.706 59.175,99.669 59.175,98.473 59.2,98.448 v2(59.2,96.925)
  Top Layer w0.6: X25.9@41.325,80.485 51.34,90.5 58.677,90.5 59.65,89.527 v2(59.65,89.45)
  Bottom Layer w0.5: X25.9@41.325,80.485 39.275,82.535 39.275,89.3 40.6,90.625 53.775,90.625 54.975,89.425 54.975,70.975 55.095,70.855 X23.3@55.095,56.095 55.085,56.085 52.26,56.085 X21.3@52.25,56.075
  Bottom Layer w0.6: v2(59.2,96.925) 59.2,89.9 v2(59.65,89.45)
+4S: X5.2 X6.1
+5В: C1.2 C5.2 C6.2 C7.2 C8.2 R1.1 R2.1 R3.2 R4.2 R5.2 R8.1 VD6.2 X1.2 X2.2 X3.2 X4.1 X8.1 X11.2 X16.7 X16.8 X16.9 X16.10 X16.11 X16.12 X17.5 X17.6 X17.7 X17.10 X18.5 X18.6 X18.7 X18.10 X19.5 X19.6 X19.7 X19.10 X21.1 X23.1 X24.3 X25.3 | length 227.6
  Top Layer w0.4: X8.1@26.042,99.7 26.85,100.508 X8.1@26.85,101
  Top Layer w0.6: R3.2@9.5,87.9 R5.2@7.375,87.9 ; R3.2@9.525,87.875 R1.1@14.047,87.875 ; R1.1@14.047,87.868 R2.1@17.326,87.868 ; X19.10@22,22.541 24.001,24.542 27.619,24.542 X18.5@29.62,26.543 X18.6@32.16,26.543 X18.7@34.7,26.543 ; X18.10@22,38.543 23.874,40.417 27.746,40.417 X17.5@29.62,42.291 X17.6@32.16,42.291 X17.7@34.7,42.291 ; X17.10@22,54.291 21.708,54.291 20.149,55.85 7.675,55.85 6.249,54.424 6.073,54.248 6.073,51.811 6.073,51.563 5.89,51.379 3.844,49.475 1.957,49.475 0.55,50.882 0.55,81.043 5.832,86.325 5.932,86.457 R5.2@7.375,87.9 ; X8.1@25.7,101.125 25.7,100.417 25,99.717 25,99.676 24.049,98.725 5.075,98.725 2.725,96.375 2.725,92.25 5.1,89.875 R8.1@5.225,89.875 5.625,89.6 5.804,89.477 5.876,89.405 5.892,89.383 6.975,88.175 R5.2@7.375,87.9 ; X19.5@29.62,10.541 X19.6@32.16,10.541 X19.7@34.7,10.541 34.7,13 X11.2@37.275,15.575 ; X21.1@52.255,50.99 60.315,50.99 X3.2@63.775,54.45 ; X25.3@53.28,80.485 57.795,85 62.625,85 X1.2@64,83.625 60.5,80.125 ; X16.7@57,103.278 X16.12@57,115.978 ; C1.2@63.587,60.367 C1.2@63.627,60.367 ; 66.54,88.5 67.09,89.05 67.09,89.924 68.06,90.894 68.06,92.116 66.784,93.392 66.784,94.807 66.335,95.255 67.858,96.778 67.858,98.651 ; 68.475,38.175 68.475,55.85
+5В_FOR_ARDUINO: VD4.2 X7.75 X7.76 X26.1 | length 2.5
  Bottom Layer w0.8: X7.76@51.095,93.195 X7.75@51.095,95.735
A1: X7.58 X16.16 | length 114.8
  Bottom Layer w0.254: X7.58@40.935,62.72 15.261,88.394 10.922,88.394 5.59,88.394 2.204,91.78 2.204,96.949 4.112,98.856 16.952,98.856 25.154,107.059 45.845,107.059 51.846,113.06 X16.16@54.4,113.06
A2: X7.56 X16.17 | length 115.5
  Bottom Layer w0.254: X7.56@43.475,62.72 42.63,62.72 41.847,63.503 41.847,63.508 41.785,63.57 41.584,63.771 20.542,84.812 19.379,84.812 15.418,88.773 5.747,88.773 2.583,91.937 2.583,96.792 4.269,98.477 17.109,98.477 25.311,106.68 47.498,106.68 51.608,110.79 X16.17@54.42,110.79
A3: X7.60 X16.18 | length 116
  Bottom Layer w0.254: X7.60@38.395,62.72 38.373,62.742 38.373,63.902 14.26,88.015 5.433,88.015 1.825,91.623 1.825,97.106 3.955,99.235 9.96,99.235 11.248,100.523 11.248,102.411 12.012,103.175 20.498,103.175 24.761,107.438 44.192,107.438 52.504,115.75 X16.18@54.25,115.75
ANALOG: X7.59 X20.1 | length 55.8
  Top Layer w0.254: X7.59@38.395,60.18 39.733,61.518 43.973,61.518 50.45,67.995 50.45,88.061 51.536,89.147 52.014,89.625 58.473,89.625 v1(58.5,89.652) ; X20.1@61.21,98.25 X20.1@62.033,97.427
  Bottom Layer w0.254: v1(58.5,89.652) 58.5,97.05 59.7,98.25 X20.1@61.21,98.25
BUTTON1: R3.1 S1.1 X7.28 | length 103.8
  Top Layer w0.254: R3.1@9.525,89.925 9.253,90.197 9.253,93.878 10.14,94.765 10.14,95.425 X7.28@10.455,95.74 ; v1(51.348,32.375) 53.073,30.65 S1.1@57.35,30.65 S1.1@63.15,30.65
  Bottom Layer w0.254: X7.28@10.455,95.74 11.669,94.526 11.669,92.456 12.32,91.805 16.698,91.805 17.263,91.24 17.331,91.24 20.726,87.844 23.975,87.844 49.625,62.194 49.625,34.098 v1(51.348,32.375)